# Altium PCB MotionBoard.PcbDoc (part 3 of 3) (continued)
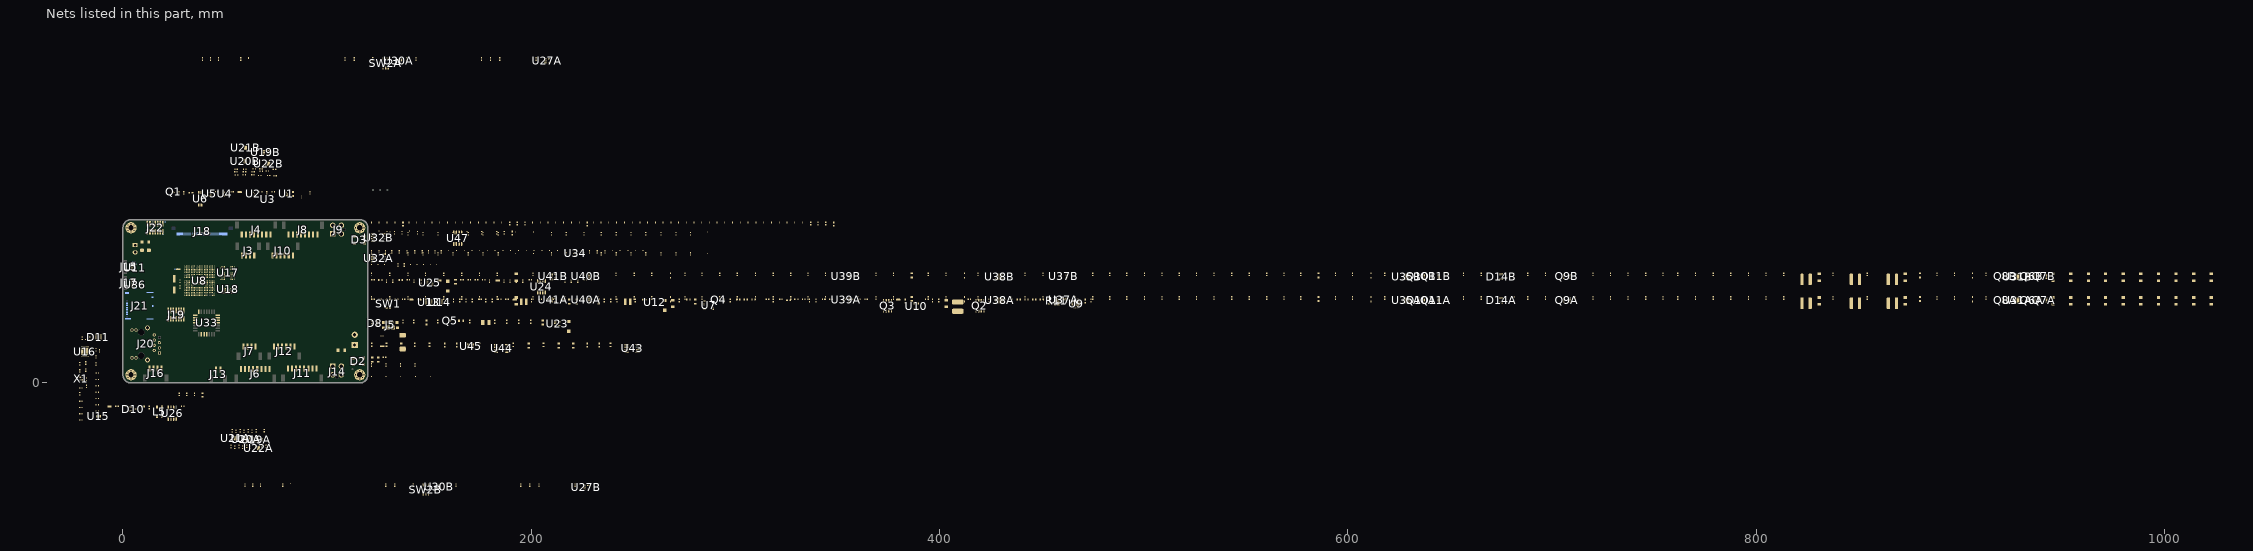
[diagram p5: the nets of this part, all layers, seen from the top]
## Nets (pads, with @x,y where several pads share a name; then routed paths per layer and width w, separated by ;. In a path a pad name is that pad's centre, name@x,y a point inside that pad or via, vN(x,y) a via of type N, cw(c..) or ccw(c..) an arc to the next point about the centre after c; other vN are vias at no path point) (continued)
D12: R9.2 U8.B16 U17.C1 U18.E2
D13: U8.B17 U17.B2 U18.F2
D14: U8.A17 U17.B1 U18.F1
D15: U8.B18 U17.A2 U18.G1
DAC0: J19.2 R174.2 U47.7
DAC1: J19.4 R170.2 U47.1
DACOUTA: R175.1 U8.U1
DACOUTB: R172.1 U8.T1
"DATA READY": U8.C18 U33.22
DENC.CLKB: U8.A6 U20B.5
DENC.DINA: U8.H1 U8.K2 U21A.2
DENC.DINB: U8.A2 U8.M17 U21B.2
DENC.DOUTA: U8.H2 U21A.5
DENC.DOUTB: U8.L16 U21B.5
DENC.TxCLKA: U8.L3 U20A.3
DENC.TxCLKB: U8.D7 U20B.3
DENC.TxDATA: U8.J2 U21A.3
DENC.TxDATB: U8.C7 U21B.3
DENCB.CLK: U8.G2 U20A.5
DETECT: D15.1 J21.10 U8.L17
DLEDO: D3.4 J18.30 TP1.1
DSP-X\R\S\T\: C40.1 J22.2 R32.2 SW1.2 TP6.1 U8.V14 U13.1 U14.1
E-STOP: Q1.1 U6.4 U8.T10
EMIF.RNW: U8.T13
EMIF.WAIT: U8.V16
ENCA-A+: C65B.1 J4.3 J18.2 R47B.1 U20B.8
ENCA-A-: C66B.1 J4.4 J18.3 R47B.2 U20B.9
ENCA-B+: C69B.1 J4.5 J18.4 R48B.1 U21B.8
ENCA-B-: C70B.1 J4.6 J18.5 R48B.2 U21B.9
ENCA-C+: C73B.1 J4.7 J18.6 R49B.1 U22B.8
ENCA-C-: C74B.1 J4.8 J18.7 R49B.2 U22B.9
ENCB-A+: C65A.1 J6.3 J18.9 R47A.1 U20A.8
ENCB-A-: C66A.1 J6.4 J18.10 R47A.2 U20A.9
ENCB-B+: C69A.1 J6.5 J18.11 R48A.1 U21A.8
ENCB-B-: C70A.1 J6.6 J18.12 R48A.2 U21A.9
ENCB-C+: C73A.1 J6.7 J18.13 R49A.1 U22A.8
ENCB-C-: C74A.1 J6.8 J18.14 R49A.2 U22A.9
ENCC-A+: C112A.1 J8.3 J18.16 R70A.2 R71A.2
ENCC-A-: C109A.1 J8.4 J18.17 R20A.2 R70A.1
ENCC-B+: C101A.1 J8.5 J18.18 R67A.2 R77A.2
ENCC-B-: C102A.1 J8.6 J18.19 R67A.1 R75A.2
ENCC-C+: J8.7 J18.20 SW2A.5
ENCC-C-: J8.8 J18.21 SW2A.2
ENCD-A+: C112B.1 J11.3 J18.23 R70B.2 R71B.2
ENCD-A-: C109B.1 J11.4 J18.24 R20B.2 R70B.1
ENCD-B+: C101B.1 J11.5 J18.25 R67B.2 R77B.2
ENCD-B-: C102B.1 J11.6 J18.26 R67B.1 R75B.2
ENCD-C+: J11.7 J18.27 SW2B.5
ENCD-C-: J11.8 J18.28 SW2B.2
ENET-LED-G: J20.10 R41.1 U16.24
ENET-LED-Y: J20.12 R42.1 U16.17
ENET_PHY.COL: U8.M2 U16.29
ENET_PHY.CRS: U8.N2 U16.27
ENET_PHY.INTR: U8.L4 U16.8
ENET_PHY.MDIO-CLK: U8.J3 U16.20
ENET_PHY.MDIO-DAT: R44.2 U8.L2 U16.19
ENET_PHY.RX-CLK: U8.M4 U16.25
ENET_PHY.RX-D0: U8.N3 U16.30
ENET_PHY.RX-D1: U8.V12 U16.31
ENET_PHY.RX-D2: U8.W10 U16.32
ENET_PHY.RX-D3: U8.U12 U16.1
ENET_PHY.RX-DV: U8.M3 U16.26
ENET_PHY.RX-ERR: U8.N4 U16.28
ENET_PHY.TX-CLK: U8.U15 U16.2
ENET_PHY.TX-D0: U8.W16 U16.4
ENET_PHY.TX-D1: U8.T8 U16.5
ENET_PHY.TX-D2: U8.U8 U16.6
ENET_PHY.TX-D3: U8.V8 U16.7
ENET_PHY.TX-EN: U8.T12 U16.3
ENET_PHY.TX-ERR: U8.T15 U16.18
eQEP1.A: U8.C3 U20B.2
eQEP1.I: U8.G1 U22B.2
eQEP2.A: U8.K3 U20A.2
eQEP2.I: U8.K1 U22A.2
eQEP3.A: U8.J17
eQEP3.B: U8.J16
eQEP3.I: U8.K16
ESTP: J13.2 J18.32 U6.1
ETH_D0_N: J20.2 R35.2 U15.2 U15.9 U16.11
ETH_D0_P: J20.1 R34.2 U15.1 U15.10 U16.12
ETH_D1_N: J20.6 R37.2 U15.5 U15.6 U16.9
ETH_D1_P: J20.3 R36.2 U15.4 U15.7 U16.10
ExEn: R65.2 U8.D9 U25.4
ExIn: R60.1 TP8.1 U8.C9
ExOut: C85.2 SW2A.3 SW2B.3
GND: C1.2 C2.2 C3.2 C4.2 C5.2 C6.2 C7.2 C8.2 C9.2 C10.2 C11.2 C12.2 C13.2 C14.2 C15.2 C16.2 C18.2 C19.2 C20.2 C21.2 C22.2 C23.2 C24.2 C25.2 C28.2 C29.2 C30.2 C31.2 C32.2 C33.2 C34.2 C35.2 C36.2 C38.2 C39.2 C40.2 C41.2 C42.2 C43.2 C44.2 C45.2 C46.2 C47.2 C48.2 C49.2 C50.1 C51.2 C52.2 C53.2 C54.2 C55.2 C56.2 C57.2 C58.2 C59.2 C60.2 C61.2 C62A.2 C62B.2 C63A.1 C63B.1 C64A.1 C64B.1 C65A.2 C65B.2 C66A.2 C66B.2 C67A.1 C67B.1 C68A.1 C68B.1 C69A.2 C69B.2 C70A.2 C70B.2 C71A.1 C71B.1 C72A.1 C72B.1 C73A.2 C73B.2 C74A.2 C74B.2 C75.2 C76.2 C77.2 C78.2 C79.2 C80.2 C81.2 C84.2 C86.1 C87.2 C88.2 C89.2 C90.2 C92.2 C93.2 C94.2 C95.2 C96.2 C97.2 C98A.2 C98B.2 C99.1 C100.1 C101A.2 C101B.2 C102A.2 C102B.2 C103.1 C104.1 C106A.1 C106B.1 C107A.1 C107B.1 C108A.1 C108B.1 C109A.2 C109B.2 C110A.2 C110B.2 C111A.2 C111B.2 C112A.2 C112B.2 C114.2 C115.2 C116.2 C117.2 C118.2 C119.2 C120.2 C121.2 C122.2 C123.2 C124.2 C125.2 C126.2 C127.2 C128.2 C129.2 C130.2 C131.2 C132.2 C133.2 C134.2 C135.2 C136.2 C137.2 C138.2 C139.2 C140.2 C141.2 C142.2 C144.2 C145.2 C147.2 C149A.1 C149B.1 C153.2 C154.2 C155.2 C158.2 C159A.1 C159B.1 C160A.1 C160B.1 C161A.1 C161B.1 C162A.1 C162B.1 C163A.1 C163B.1 C164A.1 C164B.1 C165A.1 C165B.1 C166A.1 C166B.1 C167A.1 C167B.1 C168A.1 C168B.1 C169A.1 C169B.1 C170A.1 C170B.1 C171A.2 C171B.2 C173A.1 C173B.1 C174A.1 C174B.1 C175A.1 C175B.1 C176A.1 C176B.1 C177A.1 C177B.1 C180A.1 C180B.1 C181A.1 C181B.1 C182A.2 C182B.2 C184A.1 C184B.1 C185A.1 C185B.1 C186A.1 C186B.1 C187A.1 C187B.1 C188A.1 C188B.1 C189A.1 C189B.1 C190A.2 C190B.2 C191A.1 C191B.1 C192A.1 C192B.1 C193A.2 C193B.2 C194A.1 C194B.1 C195A.1 C195B.1 C197A.1 C197B.1 C198A.2 C198B.2 C199A.1 C199B.1 C200A.1 C200B.1 C201.2 C202.2 C203.2 C204.2 C205.2 C206.2 C207.2 C208.2 C209.2 C210.2 C211.2 C212.2 C213.2 C214.2 C215.2 C216.2 C217.2 C218.2 C219.2 C220.2 C221.2 C222.2 C223.2 C224.2 C225.2 C226.2 C227.2 C228.2 C229.2 C230.2 C231.2 C232.2 C233.2 C234.2 C235.2 C236.2 C237.2 C238.2 C239.2 C240.2 C241.2 C242.2 C243.2 C244.2 C245.2 C246.2 C247.2 C248.2 C249.2 C250.2 C251.2 C252.2 C253.2 C254.2 C255.2 C256.2 C257.2 C258A.1 C258B.1 C259A.1 C259B.1 C260.2 C261A.1 C261B.1 C262A.2 C262B.2 C263.2 C264.2 C265.1 C266.1 C268A.1 C268B.1 C269A.1 C269B.1 C270A.1 C270B.1 C271.2 C272.2 C274.2 C275.2 C276.2 C277.2 C278.2 C279.2 C280.2 C281.2 D1.2 D2.1 D3.1 D8.2 D10.3 D11.2 D12A.2 D12B.2 D13A.2 D13B.2 D15.2 D16.2 D17.2 D18.2 D19A.2 D19B.2 D20A.2 D20B.2 D21A.2 D21B.2 D22A.2 D22B.2 J1.2 J2.2 J4.2 J5.5 J6.2 J8.2 J9.4 J10.6 J11.2 J12.6 J14.4 J15.1 J16.4 J17.1 J18.22 J18.29 J18.31 J18.37 J18.44 J19.14 J20.8 J20.S J21.6 J21.9 J21.P1 J21.P2 J21.P3 J21.P4 J22.4 J22.8 J22.10 J22.12 Q1.3 Q3.1 Q3.2 Q3.3 Q4.2 Q5.2 R2.2 R6.1 R12.1 R17.1 R18.1 R21.1 R22.1 R26.1 R30.2 R31.2 R43.2 R45.1 R46.1 R51.1 R54.1 R55.2 R62.1 R64.1 R65.1 R86.2 R87.2 R91.2 R99A.2 R99B.2 R100A.2 R100B.2 R110A.1 R110B.1 R111A.1 R111B.1 R112A.1 R112B.1 R115A.2 R115B.2 R116A.2 R116B.2 R121A.2 R121B.2 R122A.2 R122B.2 R126A.1 R126B.1 R127A.2 R127B.2 R129A.1 R129B.1 R134.2 R135.2 R159.2 R162.1 R163.1 R165.2 R166.1 R167.1 R168.1 R171.1 R173.1 S1.1 S2.1 S3.1 S4.1 SW1.1 SW2A.4 SW2B.4 U1.6 U1.7 U2.6 U2.7 U3.A1 U3.A2 U3.B2 U4.6 U5.6 U6.3 U7.3 U7.6 U7.10 U7.12 U7.13 U7.15 U8.A1 U8.A10 U8.A19 U8.E5 U8.E6 U8.E8 U8.E12 U8.E14 U8.E15 U8.F5 U8.F6 U8.F8 U8.F12 U8.F14 U8.F15 U8.G16 U8.G17 U8.H8 U8.H9 U8.H10 U8.H11 U8.H12 U8.H14 U8.H15 U8.H18 U8.H19 U8.J1 U8.J5 U8.J6 U8.J8 U8.J9 U8.J10 U8.J11 U8.J12 U8.K8 U8.K9 U8.K10 U8.K11 U8.K12 U8.K14 U8.K15 U8.L5 U8.L6 U8.L8 U8.L9 U8.L10 U8.L11 U8.L12 U8.L18 U8.M8 U8.M9 U8.M10 U8.M11 U8.M12 U8.M14 U8.M15 U8.M16 U8.N1 U8.N5 U8.N6 U8.P1 U8.P2 U8.P5 U8.P7 U8.P8 U8.P11 U8.P12 U8.P14 U8.P15 U8.R2 U8.R5 U8.R7 U8.R8 U8.R14 U8.R15 U8.V6 U8.V7 U8.W1 U8.W6 U8.W7 U8.W19 U9.1 U9.9 U9.21 U10.2 U11.2 U12.8 U12.11 U13.2 U14.2 U15.3 U15.8 U16.33 U17.A1 U17.A3 U17.B7 U17.C3 U17.D7 U17.E3 U17.J1 U18.D1 U18.E6 U19A.2 U19B.2 U20A.4 U20A.6 U20A.11 U20B.4 U20B.6 U20B.11 U21A.4 U21A.6 U21A.11 U21B.4 U21B.6 U21B.11 U22A.3 U22A.4 U22A.5 U22A.6 U22A.11 U22B.3 U22B.4 U22B.5 U22B.6 U22B.11 U23.2 U24.4 U25.2 U26.2 U26.8 U27A.2 U27B.2 U30A.3 U30A.4 U30A.5 U30A.6 U30A.11 U30B.3 U30B.4 U30B.5 U30B.6 U30B.11 U31A.9 U31A.11 U31B.9 U31B.11 U32A.4 U32B.4 U33.4 U33.8 U33.13 U33.15 U33.25 U34.4 U35A.9 U35A.11 U35B.9 U35B.11 U36.2 U37A.2 U37A.4 U37B.2 U37B.4 U38A.9 U38A.11 U38B.9 U38B.11 U39A.2 U39A.4 U39B.2 U39B.4 U40A.2 U40A.4 U40B.2 U40B.4 U41A.2 U41B.2 U43.1 U43.2 U43.3 U43.4 U44.4 U45.2 U47.4
  other v1: 4,2 116,2 2.586,2.586 5.414,2.586 114.586,2.586 117.414,2.586 2,4 6,4 114,4 118,4 2.586,5.414 5.414,5.414 114.586,5.414 117.414,5.414 4,6 116,6 4,74 116,74 2.586,74.586 5.414,74.586 114.586,74.586 117.414,74.586 2,76 6,76 114,76 118,76 2.586,77.414 5.414,77.414 114.586,77.414 117.414,77.414 4,78 116,78
H1A: J10.2 J18.45 U4.2
H1B: J10.3 J18.46 U4.3
H1C: J10.4 J18.47 U4.4
H2A: J12.2 J18.48 U5.2
H2B: J12.3 J18.49 U5.3
H2C: J12.4 J18.50 U5.4
HALLA-OUT: U4.7 U8.K17
HALLA.A: U4.10 U8.E17
HALLA.B: U4.9 U8.D18
HALLA.C: U4.8 U8.D17
HALLB-OUT: U5.7 U8.B19
HALLB.A: U5.10 U8.C10
HALLB.B: U5.9 U8.D10
HALLB.C: U5.8 U8.B9
HI1A: R96A.2 R99A.1 U8.N19
HI1B: R96B.2 R99B.1 U8.A8
HI2A: R113A.2 R115A.1 U8.M18
HI2B: R113B.2 R115B.1 U8.C5
HI3A: R119A.2 R121A.1 U8.F18
HI3B: R119B.2 R121B.1 U8.C4
I2C1.SCL: U44.6
I2C1.SDA: U44.5
I2C_ID.SCL: U43.6
I2C_ID.SDA: U43.5
I2C_OE: U8.A12 U36.6
I2C_SCL1: J15.4 U11.8
I2C_SCL2: J17.4 U36.8
I2C_SDA1: J15.3 U11.1
I2C_SDA2: J17.3 U36.1
I2CA.SCL: J19.12 U3.A3 U8.N18
I2CA.SDA: J19.10 U3.B3 U8.N16
I2CB.SCL: J18.34 U8.T14 U11.5 U36.5
I2CB.SDA: J18.33 U8.U14 U11.4 U36.4
ID: C80.1 D8.3 J5.4 Q5.1 R50.1 U8.P17
IMU-R\S\T\: U8.T9 U33.6
INFB-A.IU: C118.1 U8.U2
INFB-A.IW: C128.1 U8.V3
INFB-A.VFBU: C120.1 U8.U3
INFB-A.VFBV: C130.1 U8.V4
INFB-A.VFBW: C127.1 U8.V2
INVFB-B.IU: C119.1 U8.T2 U39B.5
INVFB-B.IUVW: R125B.1 U41B.1
INVFB-B.IW: C129.1 U8.W3 U37B.5
INVFB-B.VFBU: C121.1 C184B.2 D14B.6 R106B.1 R110B.2 U8.T3
INVFB-B.VFBV: C131.1 C185B.2 D14B.5 R107B.1 R111B.2 U8.W4
INVFB-B.VFBW: C122.1 C186B.2 D14B.4 R108B.1 R112B.2 U8.W2
IUA: U39A.5
IUVWA: R125A.1 U41A.1
IWA: U37A.5
LED-DO: D2.2 U8.D13
LIMIT-SW0A: U1.10 U8.U10
LIMIT-SW0B: U2.10 U8.C13
LIMIT-SW1A: U1.9 U8.T19
LIMIT-SW1B: U2.9 U8.D14
LIMIT-SW2A: U1.8 U8.B10
LIMIT-SW2B: U2.8 U8.V10
LO1A: R98A.2 R100A.1 U8.M19
LO1B: R98B.2 R100B.1 U8.B8
LO2A: R114A.2 R116A.1 U8.L19
LO2B: R114B.2 R116B.1 U8.D5
LO3A: R120A.2 R122A.1 U8.F17
LO3B: R120B.2 R122B.1 U8.D4
LSW1A: J3.2 J18.38 U1.2
LSW1B: J3.3 J18.39 U1.3
LSW1C: J3.4 J18.40 U1.4
LSW2A: J7.2 J18.41 U2.2
LSW2B: J7.3 J18.42 U2.3
LSW2C: J7.4 J18.43 U2.4
MON-VBUS: D1.1 R1.2 R2.1 U8.U4
MON-VUSB: R52.1 R54.2 U34.10
NetC17_1: C17.1 U9.15
NetC17_2: C17.2 L1.2 Q2.1 Q2.2 Q2.3 Q3.5 Q3.6 Q3.7 Q3.8 U9.13
NetC19_1: C19.1 U9.2
NetC20_1: C20.1 U9.7
NetC21_1: C21.1 U9.12
NetC22_1: C22.1 U9.20
NetC24_1: C24.1 C25.1 FB2.2 U10.3 U10.4
NetC26_1: C26.1 R14.1
NetC26_2: C26.2 C27.1 R15.1 R21.2 U9.3
NetC27_2: C27.2 R19.2
NetC29_1: C29.1 C30.1 C31.1 L1.1 R13.2 R14.2 R15.2
NetC35_1: C35.1 R23.1 U12.9
NetC37_2: C37.2 R27.2 R30.1 U12.1
NetC50_2: C50.2 R40.1 X1.1
NetC51_1: C51.1 U16.23 X1.3
NetC52_1: C52.1 J20.5
NetC82_1: C82.1 R56.1 R57.2 U24.2
NetC82_2: C82.2 R57.1 R58.2 U24.1
NetC83_1: C83.1 R58.1 R59.2
NetC83_2: C83.2 C85.1 R61.1 U24.6 U24.7
NetC84_1: C84.1 R55.1 R56.2
NetC86_2: C86.2 C87.1 R60.2 R62.2 U24.3
NetC88_1: C88.1 R59.1 U24.5
NetC90_1: C90.1 R61.2
NetC91_2: C91.2 R63.2 R64.2 U25.3
NetC94_1: C94.1 FB3.2 L4.2 U25.5
NetC105A_1: C105A.1 R16A.1 R68A.2
NetC105A_2: C105A.2 R16A.2 R20A.1
NetC105B_1: C105B.1 R16B.1 R68B.2
NetC105B_2: C105B.2 R16B.2 R20B.1
NetC110A_1: C110A.1 R69A.1 R80A.2 SW2A.6 U30A.8
NetC110B_1: C110B.1 R69B.1 R80B.2 SW2B.6 U30B.8
NetC111A_1: C111A.1 R69A.2 R79A.2 SW2A.1 U30A.9
NetC111B_1: C111B.1 R69B.2 R79B.2 SW2B.1 U30B.9
NetC113A_2: C113A.2 R78A.2 R79A.1 U32A.2
NetC113B_2: C113B.2 R78B.2 R79B.1 U32B.2
NetC114_1: C114.1 C115.1 FB4.1 U33.5
NetC143_2: C143.2 U34.5 U34.6
NetC144_1: C144.1 U8.G19 X2.2
NetC145_1: C145.1 U8.J19 X2.1
NetC146A_1: C146A.1 R72A.2 R73A.1
NetC146A_2: C146A.2 R71A.1 R73A.2
NetC146B_1: C146B.1 R72B.2 R73B.1
NetC146B_2: C146B.2 R71B.1 R73B.2
NetC147_1: C147.1 J20.4
NetC148A_1: C148A.1 R74A.1 R76A.2
NetC148A_2: C148A.2 R74A.2 R75A.1
NetC148B_1: C148B.1 R74B.1 R76B.2
NetC148B_2: C148B.2 R74B.2 R75B.1
NetC150A_1: C150A.1 R92A.2 R93A.1
NetC150A_2: C150A.2 R77A.1 R93A.2
NetC150B_1: C150B.1 R92B.2 R93B.1
NetC150B_2: C150B.2 R77B.1 R93B.2
NetC172A_1: C172A.1 U31A.2
NetC172B_1: C172B.1 U31B.2
NetC173A_2: C173A.2 R96A.1 U31A.7
NetC173B_2: C173B.2 R96B.1 U31B.7
NetC174A_2: C174A.2 R98A.1 U31A.8
NetC174B_2: C174B.2 R98B.1 U31B.8
NetC178A_1: C178A.1 R102A.1 U39A.8
NetC178A_2: C178A.2 R103A.1 U39A.1
NetC178B_1: C178B.1 R102B.1 U39B.8
NetC178B_2: C178B.2 R103B.1 U39B.1
NetC179A_1: C179A.1 R104A.1 U37A.8
NetC179A_2: C179A.2 R105A.1 U37A.1
NetC179B_1: C179B.1 R104B.1 U37B.8
NetC179B_2: C179B.2 R105B.1 U37B.1
NetC183A_1: C183A.1 U35A.2
NetC183B_1: C183B.1 U35B.2
NetC187A_2: C187A.2 R113A.1 U35A.7
NetC187B_2: C187B.2 R113B.1 U35B.7
NetC188A_2: C188A.2 R114A.1 U35A.8
NetC188B_2: C188B.2 R114B.1 U35B.8
NetC196A_1: C196A.1 U38A.2
NetC196B_1: C196B.1 U38B.2
NetC199A_2: C199A.2 R119A.1 U38A.7
NetC199B_2: C199B.2 R119B.1 U38B.7
NetC200A_2: C200A.2 R120A.1 U38A.8
NetC200B_2: C200B.2 R120B.1 U38B.8
NetC264_1: C264.1 C265.2 C266.2 R161.1 R169.2 U7.7 U7.8
NetC267A_1: C267A.1 R127A.1 U40A.1
NetC267A_2: C267A.2 R124A.1 U40A.8
NetC267B_1: C267B.1 R127B.1 U40B.1
NetC267B_2: C267B.2 R124B.1 U40B.8
NetC271_1: C271.1 C272.1 FB8.2 U47.8
NetC275_1: C275.1 R172.2 U47.3
NetC276_1: C276.1 R175.2 U47.5
NetCM2_20: 
NetCM2_21: R135.1 U45.1
NetCM2_89: 
NetCM2_91: 
NetCM2_92: 
NetCM2_93: 
NetCM2_95: R134.1 U45.3
NetCM2_99: 
NetD2_4: D2.4 D3.2
NetD4_1: D4.1 R7.1
NetD4_2: D4.2 Q1.2
NetD5_2: D5.2 R22.2
NetD9_2: D9.2 L4.1 U25.1
NetD11_1: D11.1 J21.2 R82.2
NetD23_2: D23.2 R130.2
NetD24_2: D24.2 R131.2
NetJ3_1: J3.1 R3.1
NetJ7_1: J7.1 R5.1
NetJ10_5: J10.5 U4.5
NetJ12_5: J12.5 U5.5
NetJ19_1: J19.1 U8.W18
NetJ19_3: J19.3 U8.G18
NetJ19_5: J19.5 U8.V18
NetJ19_7: J19.7 U8.U18
NetJ19_9: J19.9 U8.T17
NetJ19_11: J19.11 U8.T18
NetJ20_9: J20.9 R38.2
NetJ20_11: J20.11 R39.2
NetJ22_1: J22.1 U8.W14
NetJ22_3: J22.3 U8.W13
NetJ22_5: J22.5 R88.1
NetJ22_7: J22.7 U8.W15
NetJ22_9: J22.9 J22.11 U8.V15
NetJ22_13: J22.13 R90.2
NetJ22_14: J22.14 R89.2
NetL2_2: L2.2 U12.6
NetL3_2: L3.2 U12.10
NetL6A_1: L6A.1 R95A.2 R103A.2 R106A.2
NetL6B_1: L6B.1 R95B.2 R103B.2 R106B.2
NetL8A_1: L8A.1 R97A.2 R105A.2 R108A.2
NetL8B_1: L8B.1 R97B.2 R105B.2 R108B.2
NetQ2_4: Q2.4 U9.14
NetQ2_5: Q2.5 Q2.6 Q2.7 Q2.8 R11.2
NetQ3_4: Q3.4 U9.11
NetQ4_3: Q4.3 R10.1 R12.2 U9.19
NetQ9A_1: Q9A.1 Q9A.2 Q9A.3 Q10A.1 Q10A.2 Q10A.3 Q11A.1 Q11A.2 Q11A.3 R124A.2 R126A.2
NetQ9B_1: Q9B.1 Q9B.2 Q9B.3 Q10B.1 Q10B.2 Q10B.3 Q11B.1 Q11B.2 Q11B.3 R124B.2 R126B.2
NetR3_2: R3.2 U1.1
NetR6_2: R6.2 U6.2
NetR8_2: R8.2 U8.A11
NetR11_1: R11.1 U9.16
NetR11_4: R11.4 U9.17
NetR17_2: R17.2 U9.6
NetR18_2: R18.2 U9.5
NetR19_1: R19.1 U9.4
NetR24_1: R24.1 U12.7
NetR25_1: R25.1 U12.2
NetR28_2: R28.2 R29.1
NetR29_2: R29.2 R31.1 U12.5
NetR40_2: R40.2 U16.22
NetR43_1: R43.1 U16.16
NetR45_2: R45.2 U18.B2
NetR46_2: R46.2 U18.A1
NetR80A_1: R80A.1 R81A.1 U32A.3
NetR80B_1: R80B.1 R81B.1 U32B.3
NetR83_2: R83.2 U34.11
NetR84_2: R84.2 R87.1 U34.12
NetR85_2: R85.2 R86.1 U34.13
NetR91_1: R91.1 TP12.1 U8.U19
NetR94A_1: R94A.1 U31A.3
NetR94B_1: R94B.1 U31B.3
NetR101A_2: R101A.2 U31A.10
NetR101B_2: R101B.2 U31B.10
NetR109A_1: R109A.1 U35A.3
NetR109B_1: R109B.1 U35B.3
NetR117A_2: R117A.2 U35A.10
NetR117B_2: R117B.2 U35B.10
NetR118A_1: R118A.1 U38A.3
NetR118B_1: R118B.1 U38B.3
NetR123A_2: R123A.2 U38A.10
NetR123B_2: R123B.2 U38B.10
NetR125A_2: R125A.2 U40A.5
NetR125B_2: R125B.2 U40B.5
NetR130_1: R130.1
NetR131_1: R131.1
NetR132_1: R132.1 U45.6
NetR133_1: R133.1 U45.4
NetR160_2: R160.2 R162.2 U7.2
NetR161_2: R161.2 R163.2 U7.9
NetR164_1: R164.1 R165.1 U34.15
NetR166_2: R166.2 U34.3
NetR167_2: R167.2 U34.16
NetR168_2: R168.2 U34.2
NetR170_1: R170.1 R171.2 U47.2
NetR173_2: R173.2 R174.1 U47.6
NetU8_B6: U8.B6 U8.N17
NetU44_1: U44.1
NetU44_2: U44.2
nPIRQ: 
O\E\: U8.U16 U18.A2
OC_VREFA: C270A.2 R128A.1 R129A.2 U41A.3
OC_VREFB: C270B.2 R128B.1 R129B.2 U41B.3
OCA: U8.V9
OCB: U8.W9 U41B.4
OVERCURRENTA: U41A.4
POWER: D26.2 R133.2
PSU-OVER-VOLTAGE: C41.1 R33.2 TP7.1 U8.U9 U13.6 U14.6
PWR-EN: Q5.3 R51.2 U8.A13 U23.4
PWR-FAULT: R53.1 U8.B13 U23.3
R\A\S\: U8.J4 U17.F8
SDKE: U8.W11 U17.F3
SENSOR-OVCA: R4.1 U19A.4 U19B.4 U27A.4 U27B.4
SEQP.A: U8.C8
SEQP.B: U8.D8
SEQP.I: U8.A7
SINCOS-A.COS+: C136.1 C156.2 R76A.1 U8.T5
SINCOS-A.COS-: C137.1 C156.1 R92A.1 U8.U5
SINCOS-A.REF: C113A.1 R78A.1 U32A.1
SINCOS-A.SIN+: C132.1 C151.1 R68A.1 U8.R3
SINCOS-A.SIN-: C133.1 C151.2 R72A.1 U8.P3
SINCOS-B.COS+: C138.1 C157.2 R76B.1 U8.T6
SINCOS-B.COS-: C139.1 C157.1 R92B.1 U8.U6
SINCOS-B.REF: C113B.1 R78B.1 U32B.1
SINCOS-B.SIN+: C134.1 C152.1 R68B.1 U8.R4
SINCOS-B.SIN-: C135.1 C152.2 R72B.1 U8.P4
SPIA.CLK: D11.6 J21.5 U8.E3
SPIA.SIMO: D11.4 J21.3 U8.E1
SPIA.SOMI: D11.3 J21.7 U8.E2
SPIC-CLK: U8.G3 U8.H3
SW1A: C172A.2 Q6A.1 Q6A.2 Q6A.3 Q10A.5 Q10A.6 Q10A.7 Q10A.8 R95A.1 R102A.2 U31A.4
SW1B: C172B.2 Q6B.1 Q6B.2 Q6B.3 Q10B.5 Q10B.6 Q10B.7 Q10B.8 R95B.1 R102B.2 U31B.4
SW2A: C183A.2 L7A.1 Q7A.1 Q7A.2 Q7A.3 Q11A.5 Q11A.6 Q11A.7 Q11A.8 R107A.2 U35A.4
SW2B: C183B.2 L7B.1 Q7B.1 Q7B.2 Q7B.3 Q11B.5 Q11B.6 Q11B.7 Q11B.8 R107B.2 U35B.4
SW3A: C196A.2 Q8A.1 Q8A.2 Q8A.3 Q9A.5 Q9A.6 Q9A.7 Q9A.8 R97A.1 R104A.2 U38A.4
SW3B: C196B.2 Q8B.1 Q8B.2 Q8B.3 Q9B.5 Q9B.6 Q9B.7 Q9B.8 R97B.1 R104B.2 U38B.4
UA: C175A.2 J9.1 L6A.2
UART.RX: U8.D3 U33.23
UART.TX: U8.D2 U33.24
UB: C175B.2 J14.1 L6B.2
USB_N: D8.6 J5.2 U8.D19
USB_P: D8.1 J5.3 U8.C19
USBD_N: 
USBD_P: 
VA: C176A.2 J9.2 L7A.2
VB: C176B.2 J14.2 L7B.2
VBAT: U44.3
VBUS: C1.1 C2.1 C9.1 C10.1 C11.1 C12.1 C13.1 C159A.2 C159B.2 C160A.2 C160B.2 C161A.2 C161B.2 C162A.2 C162B.2 C163A.2 C163B.2 C164A.2 C164B.2 C165A.2 C165B.2 C166A.2 C166B.2 C167A.2 C167B.2 C168A.2 C168B.2 C260.1 C263.1 D16.1 F1.2 Q6A.5 Q6A.6 Q6A.7 Q6A.8 Q6B.5 Q6B.6 Q6B.7 Q6B.8 Q7A.5 Q7A.6 Q7A.7 Q7A.8 Q7B.5 Q7B.6 Q7B.7 Q7B.8 Q8A.5 Q8A.6 Q8A.7 Q8A.8 Q8B.5 Q8B.6 Q8B.7 Q8B.8 R1.1 R10.2 R11.3 R160.1 U7.1 U7.14 U9.18
VCCB1: C153.1 J15.2 U11.7
VCCB2: C155.1 J17.2 U36.7
VFBUA: C184A.2 D14A.6 R106A.1 R110A.2
VFBVA: C185A.2 D14A.5 R107A.1 R111A.2
VFBWA: C186A.2 D14A.4 R108A.1 R112A.2
VHI1A: D12A.1 Q6A.4 R94A.2
VHI1B: D12B.1 Q6B.4 R94B.2
VHI2A: D19A.1 Q7A.4 R109A.2
VHI2B: D19B.1 Q7B.4 R109B.2
VHI3A: D21A.1 Q8A.4 R118A.2
VHI3B: D21B.1 Q8B.4 R118B.2
VIN: F1.1 J1.1
VIN_5V: F2.1 J2.1
VLO: D6.2 D17.1 F2.2 Q4.1 R26.2
VLO1A: D13A.1 Q10A.4 R101A.1
VLO1B: D13B.1 Q10B.4 R101B.1
VLO2A: D20A.1 Q11A.4 R117A.1
VLO2B: D20B.1 Q11B.4 R117B.1
VLO3A: D22A.1 Q9A.4 R123A.1
VLO3B: D22B.1 Q9B.4 R123B.1
VMON-MUX: C140.1 U8.U7 U34.1
W\E\: U8.U11 U17.F9 U18.G5
WA: C177A.2 J9.3 L8A.2
WB: C177B.2 J14.3 L8B.2
pads on no net: C142.1 C273A.1 C273B.1 FID1.F FID2.F FID3.F FID4.F J3.S J4.S J6.S J7.S J8.S J9. J10.S J11.S J12.S J13.S J14. J15.S1 J15.S2 J16.S J17.S1 J17.S2 J18.15 J18.S J20. J20.7 J21.1 J21.8 J22.6 U1.5 U2.5 U7.4 U7.5 U7.11 U8.A3 U8.A4 U8.A5 U8.B2 U8.B3 U8.B4 U8.B5 U8.B7 U8.C1 U8.E4 U8.F1 U8.F19 U8.H4 U8.J18 U8.L1 U8.P18 U8.P19 U8.V13 U8.W12 U9.8 U9.10 U11.6 U16.13 U16.15 U17.E2 U18.A6 U18.E3 U18.G2 U18.H1 U18.H6 U20A.7 U20B.7 U21A.7 U21B.7 U22A.7 U22B.7 U25.6 U26.5 U30A.2 U30A.7 U30B.2 U30B.7 U31A.5 U31A.6 U31B.5 U31B.6 U32A.5 U32A.6 U32A.7 U32B.5 U32B.6 U32B.7 U33.1 U33.2 U33.3 U33.9 U33.10 U33.11 U33.12 U33.16 U33.17 U33.18 U33.19 U33.20 U33.21 U33.26 U33.27 U33.28 U35A.5 U35A.6 U35B.5 U35B.6 U38A.5 U38A.6 U38B.5 U38B.6 U43.7 U44.7 X1.2 X1.4

## Polygon pours and split planes (outlines as drawn)
GND on Top Layer 1 "GND_L01_P024" (solid, pour order 24): 106.934,54.864 120,54.864 120,80 106.182,80 106.182,75 111,75 111,68 106.934,63.934
VIN on Top Layer 1 "VIN_L01_P023" (solid, pour order 23): 120,21.25 109,21.25 109,17 111,15 120,15
GND on Top Layer 1 "GND_L01_P022" (solid, pour order 22): 106.5,35 120,35 120,21.5 106.5,21.5
VBUS on Top Layer 1 "VBUS_L01_P016" (solid, pour order 16): 120,54.61 120,35.3 101.4,35.3 101.4,40.894 103.886,40.894 103.886,54.61
GND on Top Layer 1 "GND_L01_P025" (solid, pour order 25): 120,2.373 117.627,0 106.172,0 106.172,4.572 110.678,4.572 110.744,4.506 110.744,10.922 108.458,13.208 108.357,13.5 120,13.5
GND on Bottom Layer 1 "NONET_L08_P027" (solid, remove dead copper, shelved, pour order 27): 4,0 cw(c4,4) 0,4 0,76 cw(c4,76) 4,80 116,80 cw(c116,76) 120,76 120,4 cw(c116,4) 116,0
+3.3V on PWR (split plane): 4,79.49 116,79.49 116.016,79.491 116.249,79.483 116.497,79.456 116.742,79.412 116.984,79.35 117.22,79.272 117.45,79.176 117.673,79.065 117.888,78.937 118.092,78.795 118.287,78.639 118.469,78.469 118.639,78.287 118.795,78.092 118.937,77.888 119.065,77.673 119.176,77.45 119.272,77.22 119.35,76.984 119.412,76.742 119.456,76.497 119.483,76.249 119.491,76.016 119.49,76 119.49,4 119.491,3.984 119.483,3.751 119.456,3.503 119.412,3.258 119.35,3.016 119.272,2.78 119.176,2.55 119.065,2.327 118.937,2.112 118.795,1.908 118.639,1.713 118.469,1.531 118.287,1.361 118.092,1.205 117.888,1.063 117.673,0.935 117.45,0.824 117.22,0.728 116.984,0.65 116.742,0.588 116.497,0.544 116.249,0.517 116.016,0.509 116,0.51 4,0.51 3.984,0.509 3.751,0.517 3.503,0.544 3.258,0.588 3.016,0.65 2.78,0.728 2.55,0.824 2.327,0.935 2.112,1.063 1.908,1.205 1.713,1.361 1.531,1.531 1.361,1.713 1.205,1.908 1.063,2.112 0.935,2.327 0.824,2.55 0.728,2.78 0.65,3.016 0.588,3.258 0.544,3.503 0.517,3.751 0.509,3.984 0.51,4 0.51,76 0.509,76.016 0.517,76.249 0.544,76.497 0.588,76.742 0.65,76.984 0.728,77.22 0.824,77.451 0.935,77.673 1.063,77.888 1.205,78.092 1.361,78.287 1.531,78.469 1.713,78.639 1.908,78.795 2.112,78.937 2.327,79.065 2.55,79.176 2.78,79.272 3.016,79.35 3.258,79.412 3.503,79.456 3.751,79.483 3.984,79.491
GND on GND (split plane): 4,79.49 116,79.49 116.016,79.491 116.249,79.483 116.497,79.456 116.742,79.412 116.984,79.35 117.22,79.272 117.45,79.176 117.673,79.065 117.888,78.937 118.092,78.795 118.287,78.639 118.469,78.469 118.639,78.287 118.795,78.092 118.937,77.888 119.065,77.673 119.176,77.45 119.272,77.22 119.35,76.984 119.412,76.742 119.456,76.497 119.483,76.249 119.491,76.016 119.49,76 119.49,4 119.491,3.984 119.483,3.751 119.456,3.503 119.412,3.258 119.35,3.016 119.272,2.78 119.176,2.55 119.065,2.327 118.937,2.112 118.795,1.908 118.639,1.713 118.469,1.531 118.287,1.361 118.092,1.205 117.888,1.063 117.673,0.935 117.45,0.824 117.22,0.728 116.984,0.65 116.742,0.588 116.497,0.544 116.249,0.517 116.016,0.509 116,0.51 4,0.51 3.984,0.509 3.751,0.517 3.503,0.544 3.258,0.588 3.016,0.65 2.78,0.728 2.55,0.824 2.327,0.935 2.112,1.063 1.908,1.205 1.713,1.361 1.531,1.531 1.361,1.713 1.205,1.908 1.063,2.112 0.935,2.327 0.824,2.55 0.728,2.78 0.65,3.016 0.588,3.258 0.544,3.503 0.517,3.751 0.509,3.984 0.51,4 0.51,76 0.509,76.016 0.517,76.249 0.544,76.497 0.588,76.742 0.65,76.984 0.728,77.22 0.824,77.451 0.935,77.673 1.063,77.888 1.205,78.092 1.361,78.287 1.531,78.469 1.713,78.639 1.908,78.795 2.112,78.937 2.327,79.065 2.55,79.176 2.78,79.272 3.016,79.35 3.258,79.412 3.503,79.456 3.751,79.483 3.984,79.491

## Silkscreen, mask and mechanical layers (free items; w line width, h text height)
Top Overlay:
  the board outline again, w0.5
  text "t" at 89.947,58.5 h8
  text "à" at 6.11,56.001 h1.78 r270
  text "h" at 56,49.375 h6
  text "o" at 82,-11.5 h8
Bottom Overlay:
  text "e" at 59,34.5 h8
Board Shape:
  the board outline again, w0.5